# KiCad board s100_ColorMagic-1.0-001.kicad_pcb (continued)
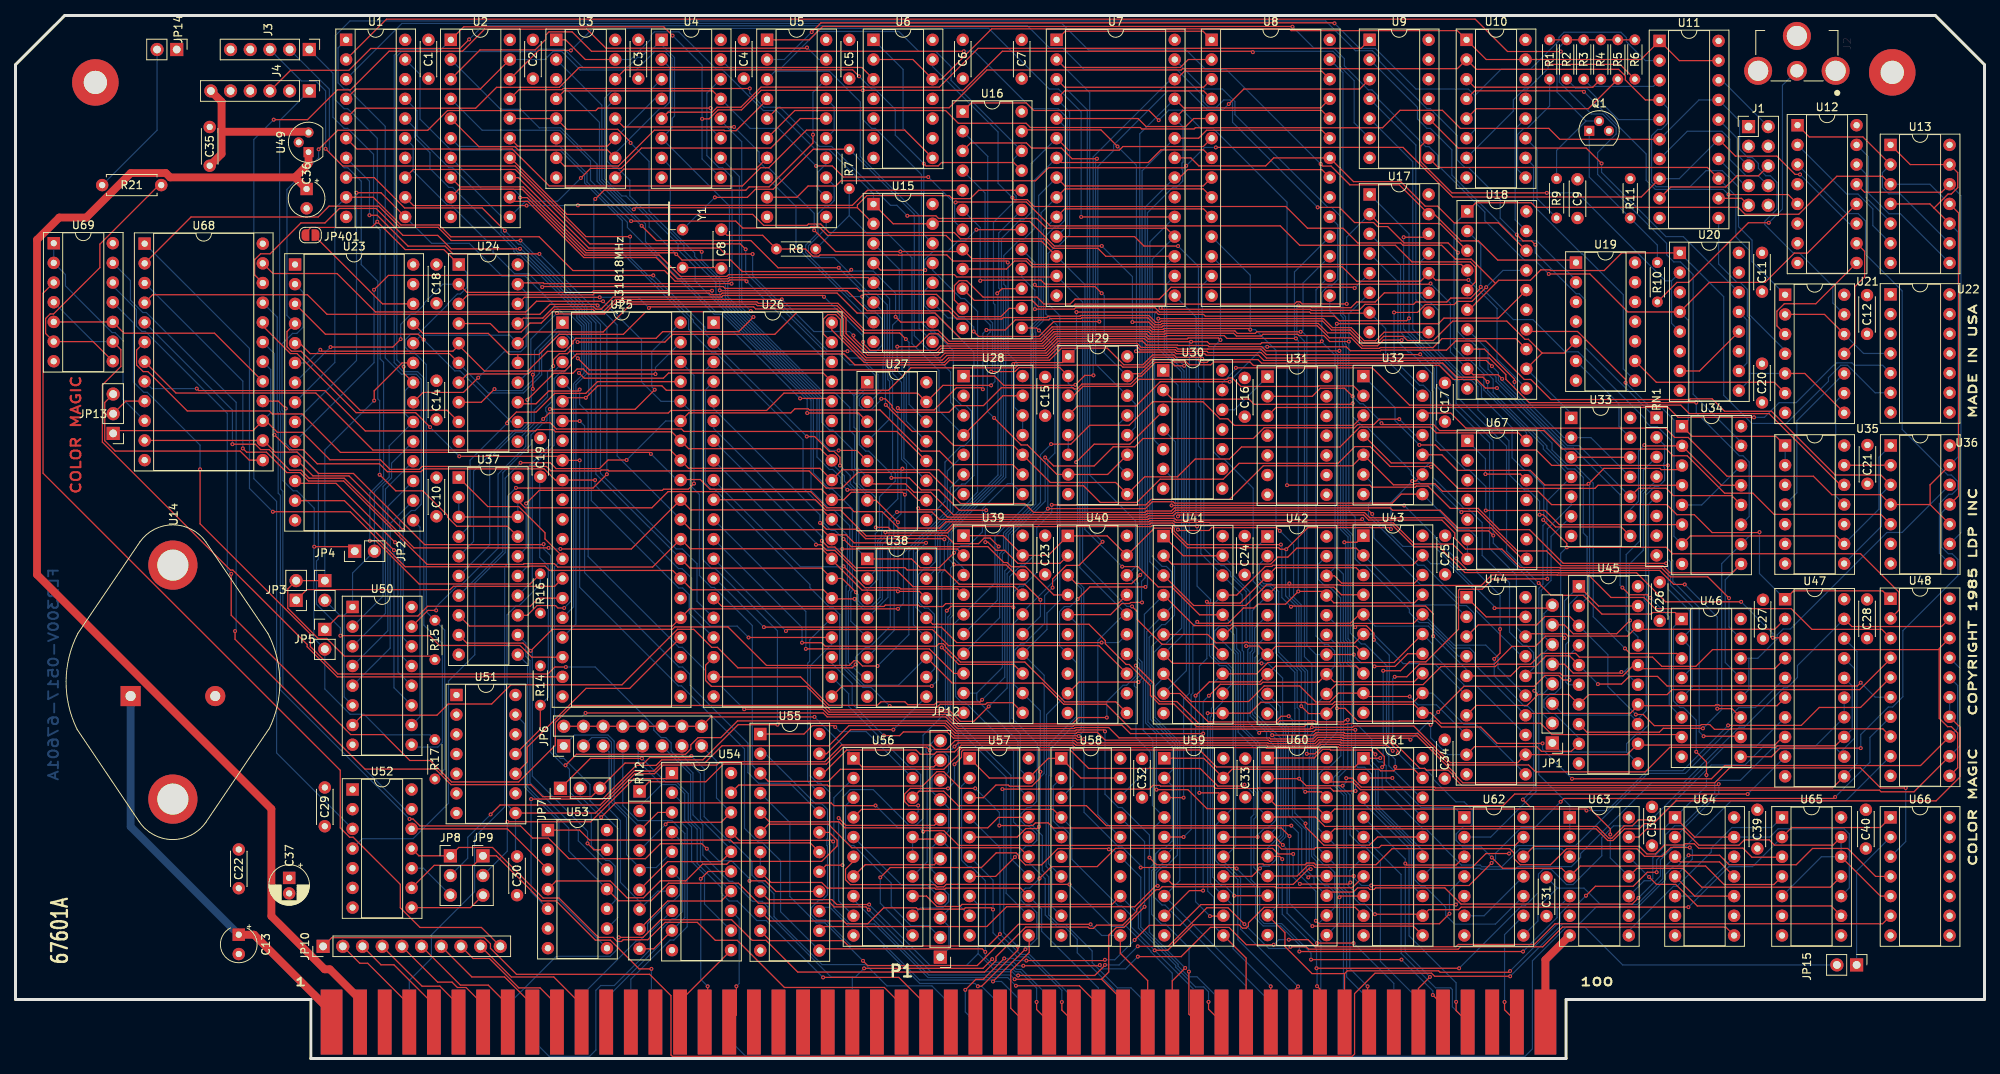
[diagram p0: board, top side]
## Routing (per net, layer and track width the routed paths; a pad name or vN(x,y) marks a point on that pad's centre or on a via; arc(x,y) is an arc through that point) (continued)
/SLAVE_CLR: length 163.4
  Component w0.152: v1(102.87,119.23) 102.87,118.16 97.21,112.5 94.64,112.5 94.21,112.07 75.92,112.07 v1(74.79,110.94) ; v1(76.29,75.41) 74.51,73.63 64.58,73.63 v1(64.56,73.65)
  Copper w0.152: v1(102.87,119.23) 102.87,124.7 U5.18 ; P1.54 50.8,10.08 53.65,12.93 53.65,15.96 59.22,21.53 59.22,28.6 63.1,32.47 63.1,63.45 63.47,63.82 63.47,72.57 v1(64.56,73.65) ; v1(74.79,110.94) 74.61,110.76 74.61,96.1 76.29,94.43 v1(76.29,75.41)
/STATUS_CS: length 126.6
  Component w0.152: U45.19 204.22,58.4 U45.1 ; v1(177.66,39.71) 176.95,40.42 170.89,40.42 170.77,40.53 168.39,40.53 167.89,40.03 161.4,40.03 161.3,40.13 136.69,40.13 136.38,40.43 121.98,40.43 121.13,39.58 118.81,39.58 118.51,39.27 116.71,39.27 116.17,39.82 107.22,39.82 104.2,36.8 U55.22 ; v1(177.92,49.27) 179.48,49.27 181.1,50.89 190.76,50.89 193.05,53.19 196.06,53.19 197.39,54.52 199.58,54.52 v1(199.82,54.28)
  Copper w0.152: v1(199.82,54.28) 199.82,59.08 U45.1 ; v1(177.66,39.71) 177.66,49.01 v1(177.92,49.27)
/sWO: length 124.6
  Component w0.152: v1(170.45,94.83) 183.54,94.83 184.26,95.56 191.28,95.56 U18.16
  Copper w0.152: v1(170.45,94.83) 170.3,94.68 170.3,91.14 170.57,90.86 170.57,63.22 171.29,62.51 171.29,53.92 171.54,53.67 171.54,51.2 172.35,50.4 172.35,34.25 172.46,34.13 172.46,30.03 U61.5 178.74,23.75 178.74,13.57 183.19,9.12 185.13,9.12 185.36,8.9 185.36,6.67 P1.97
/TMR_INT: length 115.6
  Component w0.152: JP10.10 60.1,16.92 52.18,16.92 49.64,19.46 49.64,22.48 43.55,28.57 43.1,28.57 41.89,29.77 41.89,37.2 3.55,75.54 3.55,98.77 U69.3
/TMRCS: length 133
  Component w0.152: v1(89.17,27.08) 88.53,27.73 83.19,27.73 81.26,25.79 71.4,25.79 68.74,28.45 66.72,28.45 65.14,30.02 52.17,30.02 51.29,30.91 v1(50.83,30.91) ; v1(94.69,22.94) 96.71,22.94 98.09,21.56 U55.16
  Copper w0.152: U68.21 33.77,95.68 33.77,83.43 33.89,83.31 33.89,72.96 34.17,72.68 34.17,47.57 v1(50.83,30.91) ; v1(94.69,22.94) 94.69,23.2 92.38,25.52 90.74,25.52 v1(89.17,27.08)
/VI0: length 13.9
  Component w0.152: P1.4 50.8,6.93 45.43,12.29 44.41,12.29 JP10.2
/VI1: length 14.6
  Component w0.152: P1.5 53.97,6.93 48.82,12.09 47.15,12.09 JP10.3
/VI2: length 15.2
  Component w0.152: JP10.4 52.44,9.33 54.74,9.33 57.15,6.93 P1.6
/VI3: length 15.9
  Component w0.152: JP10.5 54.46,9.86 56.31,9.86 57,9.16 58.12,9.16 60.33,6.95 P1.7
/VI4: length 16.5
  Component w0.152: JP10.6 57.39,9.47 60.99,9.47 63.5,6.95 P1.8
/VI5: length 17.1
  Component w0.152: P1.9 66.67,6.94 63.08,10.53 58.87,10.53 JP10.7
/VI6: length 17.8
  Component w0.152: P1.10 69.85,6.93 67.66,9.12 64.93,9.12 61.14,12.91 59.03,12.91 JP10.8
/VI7: length 18.4
  Component w0.152: JP10.9 63.96,10.52 69.44,10.52 73.02,6.93 P1.11
/Video Generator/ONE: length 323.5
  Component w0.152: v1(196.06,105.03) 195.56,105.53 194.47,105.53 v1(193.67,106.33) ; U24.1 55.25,104.41 50.27,104.41 v1(46.67,108.01) 45.93,107.27 38.11,107.27 37.4,106.56 JP401.2
  Copper w0.152: U24.1 58.22,101.44 58.22,99.5 57.39,98.67 56.99,98.67 55.74,97.42 55.74,97.3 51.94,93.51 51.02,93.51 50.26,92.75 50.26,91.82 51.03,91.05 51.51,91.05 52.99,89.57 52.99,57.67 R15.1 55.37,55.29 55.37,37.35 R17.1 ; v1(196.06,105.03) 196.06,103.98 201.33,98.7 201.71,98.7 202.51,97.91 202.51,91.74 211.53,82.72 RN1.1 ; v1(46.67,108.01) 46.67,118.77 42.85,122.59 42.39,122.59 41.25,123.73 41.25,132.02 43.15,133.92 169.01,133.92 172.85,130.08 175.04,130.08 175.95,129.17 175.95,128.73 182.09,122.59 182.51,122.59 185.97,119.14 185.97,115.99 186.95,115.01 187.43,115.01 191.53,110.91 191.53,108.47 v1(193.67,106.33)
/Video Generator/ZERO: length 318
  Component w0.152: U27.6 110.29,74.17 114.82,74.17 115.9,73.08 118.07,73.08 120.98,70.18 145.83,70.18 146.01,70.36 149.22,70.36 149.63,70.76 174.54,70.76 v1(175.02,70.28) ; JP1.8 197.87,58.13 v1(190.79,58.13) ; v1(50.07,89.29) 50.07,88.47 U23.22
  Copper w0.152: 83.04,131.17 U4.1 ; 83.04,131.17 85.01,129.19 85.01,121.65 84.71,121.34 84.71,120.14 U4.6 92.09,110.04 92.09,100.42 91.88,100.21 91.88,98.31 103.93,86.26 107.47,86.26 108.16,85.56 ; 83.04,131.17 81.93,130.06 81.5,130.06 80.66,129.22 80.23,129.22 78.89,127.89 73.19,127.89 70.8,130.27 67.5,130.27 67.2,129.97 49.77,129.97 49.2,129.39 49.2,90.17 v1(50.07,89.29) ; JP1.2 196.81,44.71 196.81,46.8 198.25,48.25 JP1.4 197.17,49.43 197.17,52.35 JP1.6 197.17,54.51 197.17,57.43 JP1.8 ; v1(175.02,70.28) 175.02,70.06 178.99,66.1 183.04,66.1 190.79,58.34 v1(190.79,58.13) ; 42.4,57.2 U50.1 43.48,62.66 JP2.2 46.3,73.16 48.2,75.06 48.2,79.06 U23.20 50.27,83.19 50.27,86.21 U23.22 ; 42.4,57.2 41.84,57.2 JP4.2 ; 42.4,57.2 42.4,46.66 U50.6 ; U27.1 108.16,85.56 ; 108.16,85.56 108.16,81.48 108.55,81.1 108.55,76.35 109.88,75.01 U27.6
/Video Timing/ONE: length 196.9
  Component w0.152: U34.1 216.29,80.3 227.1,80.3 U35.1 ; U5.1 102.39,131.48 104.12,133.2 164.7,133.2 v1(164.73,133.18) ; U12.12 231.15,103.95 229.47,103.95 225.69,100.17 218.51,100.17 U20.4 207.99,96.36 203.09,101.26 v1(197.79,101.26)
  Copper w0.152: v1(164.73,133.18) 167.52,130.38 170.09,130.38 171.42,129.04 171.42,128.11 174.52,125.02 174.97,125.02 175.71,124.29 175.71,123.9 181.91,117.7 182.34,117.7 183.47,116.58 183.47,115.33 189.54,109.25 189.54,108.13 194.68,102.99 196.06,102.99 v1(197.79,101.26) ; U35.2 U35.1 ; U34.1 215.79,82.42 215.79,95.27 U20.4
/Video Timing/ZERO: length 116.4
  Component w0.152: U11.19 214.62,128.8 U11.1 209.68,128.94 U10.15 189.72,128.94 U10.1 186,132.66 164.56,132.66 164.32,132.9 125.93,132.9 119.43,126.4 U6.12 115.76,128.94 U6.2
/VSYNC_DLY: length 226.8
  Component w0.152: U45.8 202.73,42.11 212.06,42.11 212.56,42.62 v1(217.68,42.62) ; 190.92,100.04 187.79,103.18 185.76,103.18 183.97,104.96 178.99,104.96 178.69,105.27 173.15,105.27 171.25,107.16 166.67,107.16 163.86,109.97 131.41,109.97 130.52,110.85 128.85,110.85 v1(128.59,111.11) ; 190.92,100.04 187.52,96.64 U18.6 ; 190.92,100.04 191.33,100.45 195.42,100.45 196.76,101.79 197.95,101.79 198.03,101.7 204.94,101.7 207.21,103.98 U20.1
  Copper w0.152: 223.98,81.97 220.36,85.6 220.36,98.32 U20.1 ; 223.98,81.97 223.98,67.75 U34.10 220.1,63.87 220.1,45.04 v1(217.68,42.62) ; 223.98,81.97 228.44,81.97 233.87,87.4 233.87,87.89 235.46,89.48 236.34,89.48 239.89,85.92 U22.6 ; v1(128.59,111.11) 126.75,112.96 126.75,119.58 118.3,128.03 U6.13
/WR: length 291.3
  Component w0.152: v1(176.05,38.78) 176.02,38.75 U61.1 172.78,37.63 154.93,37.63 152.74,39.82 136.53,39.82 136.23,40.13 122.11,40.13 121.62,39.64 121.62,39.21 119.74,37.32 106.4,37.32 104.85,35.77 97.11,35.77 U55.3 ; U68.23 33.21,101.32 41.47,101.32 46.43,96.36 65.83,96.36 67.21,97.74 v1(75.79,97.74) ; v1(176.43,50.05) 178.67,50.05 179.82,51.2 181.94,51.2 186.15,55.4 186.15,60.45 186.27,60.57 189.19,60.57 190.53,61.91 v1(197.6,61.91)
  Copper w0.152: v1(176.05,38.78) 176.43,39.16 v1(176.43,50.05) ; U33.5 200.68,71.44 197.6,68.36 v1(197.6,61.91) ; U62.10 190.91,17.35 185.64,17.35 184.5,18.5 184.5,19.52 181.78,22.24 181.32,22.24 180.44,23.12 180.44,27.5 175.44,32.49 175.44,37.21 U61.1 ; v1(75.79,97.74) 80.75,92.78 80.75,87.34 83.27,84.82 U25.36 87.03,83.59 87.03,74 88.22,72.81 88.22,62.35 89.77,60.8 90.14,60.8 95.05,55.89 95.05,37.83 U55.3
A0: length 237.4
  Component w0.152: v1(132.09,23.23) 133.63,24.77 139.54,24.77 141.89,27.12 162.16,27.12 162.89,26.4 v1(164.82,26.4) ; U26.24 v1(94.56,54.34) ; v1(172.19,22.72) 171.99,22.51 165.72,22.51 v1(165.68,22.54) ; v1(33.4,80.51) 35.35,78.56 37.12,78.56 38.92,76.76 46.94,76.76 47.96,75.74 52.31,75.74 52.68,76.11 66.1,76.11 66.11,76.11 68.19,76.11 69.64,74.66 U25.9 v1(74.76,74.66) ; v1(126.1,9.94) 130.25,14.1 v1(130.28,14.1)
  Copper w0.152: v1(130.28,14.1) 130.38,14.1 131.75,15.47 131.75,18.82 130.81,19.76 130.39,19.76 129.67,20.48 129.67,21.39 130.27,21.99 130.85,21.99 v1(132.09,23.23) ; 105.06,19.52 104.2,19.52 U55.15 ; 105.06,19.52 107.5,17.07 109.7,17.07 116.62,10.14 125.9,10.14 v1(126.1,9.94) 127.19,9.94 130.18,6.95 P1.79 ; 105.06,19.52 105.06,27.54 104.97,27.62 104.97,28.19 105.06,28.27 105.06,34.36 103.89,35.53 103.5,35.53 102.54,36.49 102.54,50.72 105.3,53.48 U26.24 ; v1(165.68,22.54) 164.82,23.41 v1(164.82,26.4) ; U61.6 172.13,24.28 172.13,22.79 v1(172.19,22.72) ; v1(33.4,80.51) 33.4,90.97 U68.19 ; v1(74.76,74.66) 74.76,73.99 85.53,63.23 85.99,63.23 87.22,62 87.22,58.21 89.63,55.8 93.1,55.8 v1(94.56,54.34)
A1: length 185.5
  Component w0.152: v1(57.25,77.73) 70.03,77.73 U25.8 v1(72.77,77.2) ; U68.20 31.9,94.55 35.46,90.99 36.31,90.99 43.94,83.36 51.61,83.36 v1(53.48,81.49) ; U55.13 103.92,14.16 124.7,14.16 v1(125.11,13.76)
  Copper w0.152: v1(53.48,81.49) v1(57.25,77.73) ; U57.2 122.04,35.16 122.04,25.58 122.85,24.77 123.3,24.77 125.11,22.96 v1(125.11,13.76) 125.11,13.04 126.03,12.11 128.51,12.11 129.12,11.5 129.78,11.5 133.35,7.94 P1.80 ; v1(72.77,77.2) 72.77,60.83 85.51,48.1 85.9,48.1 94.04,39.96 94.04,29.72 95.85,27.91 96.31,27.91 98.69,25.53 98.69,18.95 U55.13
A2: length 65
  Component w0.152: v1(126.99,16.06) 125.45,14.52 107.47,14.52 106.78,15.21 97.35,15.21 U55.11
  Copper w0.152: U57.4 126.99,27.21 v1(126.99,16.06) 129.62,13.43 130.81,13.43 136.53,7.71 P1.81
A3: length 59.5
  Component w0.152: P1.31 134.98,6.24 v1(134.98,7.29) ; v1(126.1,19.23) 125.88,19.45 122.52,19.45 122.35,19.28 116.38,19.28 116.21,19.45 111.99,19.45 109.93,17.39 107.19,17.39 106.83,17.75 97.35,17.75 U55.10
  Copper w0.152: U57.6 126.1,23.02 v1(126.1,19.23) 126.1,16.22 129.2,13.12 130.66,13.12 134.98,8.8 v1(134.98,7.29)
A4: length 55
  Component w0.152: U55.9 97.13,20.51 105.31,20.51 105.94,19.87 v1(110.12,19.87) ; v1(131.72,7.3) 131.72,6.33 P1.30
  Copper w0.152: U57.8 124.18,19.86 124.18,13.53 ; 124.18,13.53 122.65,12 118,12 v1(110.12,19.87) ; 124.18,13.53 126.21,11.5 128.68,11.5 128.99,11.2 129.61,11.2 131.72,9.08 v1(131.72,7.3)
A5: length 12.9
  Component w0.152: U57.11 130.76,15.82 130.76,13.68 128.39,11.3 128.39,6.49 P1.29
A6: length 58.6
  Component w0.152: U57.13 129.67,21.99 120.01,21.99 119.87,21.86 118.73,21.86 118.59,21.99 104.73,21.99 103.99,22.72 97.46,22.72 U55.8
  Copper w0.152: U57.13 132.37,19.29 132.37,16.42 139.7,9.09 P1.82 ; U55.8 U55.7
A7: length 63.8
  Component w0.152: U55.6 97.14,30.24 104.84,30.24 107.88,27.2 129.54,27.2 U57.15
  Copper w0.152: U57.15 130.7,25.33 132.84,23.2 132.84,18.53 134.41,16.96 135.38,16.96 136.97,15.37 136.97,13.65 142.88,7.74 P1.83
A8: length 70.4
  Component w0.152: U55.5 97.25,30.55 106.21,30.55 106.99,29.77 125.42,29.77 126.77,31.12 U57.17
  Copper w0.152: P1.84 146.05,6.97 143.9,9.12 142.14,9.12 138.89,12.37 138.89,13.88 135.51,17.26 134.55,17.26 133.29,18.53 133.29,23.44 132.46,24.28 132.46,28.78 130.7,30.54 U57.17
A9: length 76.7
  Component w0.152: P1.34 146.05,10.05 142.52,13.58 U58.11 ; v1(109.32,12.61) 109.93,12 124.06,12 129.38,17.32 v1(138.69,17.32)
  Copper w0.152: v1(109.32,12.61) 104.42,17.51 103.29,17.51 99.89,20.91 99.89,30.45 U55.4 ; v1(138.69,17.32) 140.12,15.88 U58.11
A10: length 50.2
  Component w0.152: 155.58,4.7 153.9,6.37 v1(153.9,7.31) ; U56.13 117.51,20.96 118.85,19.62 121.83,19.62 122.1,19.89 141.45,19.89 U58.13
  Copper w0.152: U58.13 144.85,18.63 144.85,16.84 149.67,12.03 149.67,11.79 152.22,9.24 153.28,9.24 153.9,8.62 v1(153.9,7.31)
A11: length 71
  Component w0.152: v1(141.05,27) 140.95,27.1 134.47,27.1 132.36,25 130.28,25 129.41,25.86 129.41,26.22 129.08,26.54 126.5,26.54 124.61,24.65 112.84,24.65 v1(111.56,23.37)
  Copper w0.152: U56.11 111.56,20.04 v1(111.56,23.37) ; 155.58,4.7 155.58,7.38 152.41,10.55 151.34,10.55 149.97,11.92 149.97,12.16 145.16,16.97 145.16,23.4 U58.15 141.56,27 v1(141.05,27)
A12: length 68.4
  Component w0.152: P1.33 142.88,7.46 140.1,10.23 ; v1(145.65,19.59) 142.97,16.91 142.01,16.91 141.02,15.92 141.02,11.16 140.1,10.23 ; 140.1,10.23 v1(128.89,10.23)
  Copper w0.152: v1(145.65,19.59) 145.65,27.99 U58.17 ; v1(128.89,10.23) 128.35,10.77 117.82,10.77 108.1,20.49 U56.8
A13: length 72.5
  Component w0.152: U56.6 108.1,25.46 107.07,24.43 107.07,23.07 107.7,22.44 118.57,22.44 118.85,22.16 119.75,22.16 120.06,22.47 v1(135.96,22.47)
  Copper w0.152: P1.85 149.23,11.01 146.47,13.77 146.47,13.88 143.31,17.04 141.39,17.04 v1(135.96,22.47) 135.96,29.02 135.13,29.85 134.68,29.85 133.87,30.67 133.87,35.17 U58.2
A14: length 91.9
  Component w0.152: U56.4 109.13,32.15 133.87,32.15 U58.4 ; v1(146.95,13.97) 148.63,13.97 151.93,17.27 157.83,17.27 158.27,16.82 158.76,16.82 159.05,17.11 159.05,17.5 161.06,19.52 172.81,19.52 U61.9
  Copper w0.152: P1.86 152.4,8.52 v1(146.95,13.97) 143.92,17 143.92,18.48 142.71,19.69 142.28,19.69 136.27,25.7 136.27,29.75 U58.4
A15: length 73.1
  Component w0.152: v1(129.05,9.39) 137.24,9.39 139.7,6.93 P1.32 ; v1(105.47,28.01) 105.33,28.15 93.37,28.15 U54.17
  Copper w0.152: 105.57,28.01 105.57,19.43 107.63,17.37 110.79,17.37 117.72,10.44 127.99,10.44 v1(129.05,9.39) ; 105.57,28.01 v1(105.47,28.01) ; 105.57,28.01 105.57,33.67 U56.2
A16: length 23.3
  Component w0.152: v1(89.29,9.32) 89.29,5.09 P1.16 ; v1(88.4,23.19) 89.35,24.14 U54.15
  Copper w0.152: v1(88.4,23.19) 88.4,10.21 v1(89.29,9.32)
A17: length 15.3
  Component w0.152: P1.17 92.99,5.62 v1(92.99,9.32)
  Copper w0.152: v1(92.99,9.32) 93.35,9.68 93.35,18.01 U54.13
A18: length 12
  Component w0.152: U54.11 85.72,7.41 P1.15
A19: length 34.7
  Copper w0.152: P1.59 66.67,2.44 68.83,0.28 74.06,0.28 74.87,1.09 74.87,8.8 75.49,9.42 77.24,9.42 81.85,14.03 81.85,16.23 U54.8
A20: length 25.6
  Copper w0.152: P1.61 73.02,8.14 80.07,15.19 80.51,15.19 81.54,16.22 81.54,17.41 84.46,20.33 84.87,20.33 85.74,21.2 85.74,23.08 U54.6
A21: length 29.4
  Copper w0.152: P1.62 76.2,7.77 83.26,14.83 83.26,16.6 84.7,18.03 85.12,18.03 86.04,18.95 86.04,27.86 U54.4
A22: length 33.7
  Copper w0.152: U54.2 85.87,33.11 85.87,30.47 86.65,29.69 86.65,17.02 84.92,15.29 84.44,15.29 79.38,10.22 79.38,4.7
A23: length 45.8
  Component w0.152: v1(82.03,11.57) 80.43,11.57 76.73,15.28 74.8,15.28 69.73,20.35 67.85,20.35 62.04,26.16 JP9.1 59.07,24.93 54.01,24.93 U52.9
  Copper w0.152: P1.64 82.03,5.22 v1(82.03,11.57)
ALPHA_DOTS: length 73.2
  Component w0.152: U16.5 109.9,112.06 107.96,110.12 v1(72.55,110.12) ; U1.12 51.34,110.09 v1(65.93,110.09)
  Copper w0.152: v1(65.93,110.09) 72.52,110.09 v1(72.55,110.12)
AT0: length 83.4
  Component w0.152: v1(80.77,107.48) 82.67,105.58 94.86,105.58 98.37,102.06 v1(106.2,102.06)
  Copper w0.152: U2.2 62.58,122.51 65.18,122.51 67.58,120.11 70.34,120.11 75.02,115.43 75.02,113.22 v1(80.77,107.48) ; U27.2 110.24,84.74 111.92,86.42 111.92,90.14 112.1,90.32 112.1,96.16 U15.6 v1(106.2,102.06)
AT1: length 39.6
  Component w0.152: U3.10 76.34,117.27 64.85,117.27 64.42,117.69 59.78,117.69 U2.5
  Copper w0.152: U3.10 77.37,116.87 83.12,122.62 83.57,122.62 84.38,123.43 84.38,127.91 U4.2
AT2: length 72
  Component w0.152: v1(102.12,83.31) 108.77,83.31 U27.3
  Copper w0.152: 69.75,117.72 57.21,117.72 U2.6 ; 69.75,117.72 U3.6 ; 69.75,117.72 70.23,117.72 73.72,114.23 73.72,113.14 78.93,107.92 78.93,107.27 90.14,96.06 91.11,96.06 102.12,85.05 v1(102.12,83.31)
AT3: length 104.3
  Component w0.152: v1(107.81,101.8) 107.59,101.58 93.74,101.58 92.26,103.06 85.99,103.06 v1(85.23,103.82) 85.05,103.99 73.57,103.99 65.37,112.19 57.18,112.19 U2.9 ; v1(113.53,95.73) 114.22,95.04 U15.10
  Copper w0.152: v1(107.81,101.8) 107.98,101.63 110.65,101.63 113.53,98.75 v1(113.53,95.73) ; v1(85.23,103.82) 81.74,107.31 81.74,108.34 78.76,111.32 78.23,111.32 76,113.55 76,123.95 76.94,124.89 81.84,124.89 U4.3
AT4: length 74.3
  Component w0.152: U2.12 64.3,110.63 66.06,110.63 73.31,103.38 82.63,103.38 85.38,100.63 91.87,100.63 92.04,100.8 110,100.8 U15.5
  Copper w0.152: U15.5 112.76,98.04 112.76,90.12 112.53,89.89 112.53,87.64 112.76,87.41 112.76,82.54 U27.4
AT5: length 22.5
  Component w0.152: U3.11 76.34,117.75 64.8,117.75 U2.15
  Copper w0.152: U4.4 82.45,123.86 U3.11
AT6: length 72.6
  Component w0.152: U2.16 U3.5 71.14,119.93 77.69,119.93 79.35,118.27 v1(79.35,118.17) ; v1(106.18,78.48) 108.52,78.48 U27.5
  Copper w0.152: v1(106.18,78.48) 105.09,78.48 103.69,79.88 103.69,85.21 90.36,98.54 90.36,100.13 86.23,104.26 86.23,104.91 81.73,109.41 81.73,115.79 v1(79.35,118.17)
AT7: length 150.8
  Component w0.152: U9.1 173.58,130.38 124.18,130.38 119.17,125.37 109.6,125.37 109.53,125.44 109.13,125.44 109.05,125.37 96.16,125.37 93.57,122.78 90.5,122.78 89.86,122.14 84.17,122.14 U4.5 ; U1.4 43.92,125.13 59.96,125.13 U2.19
  Copper w0.152: U2.19 68.29,128.94 69.32,129.97 70.46,129.97 72.85,127.58 80.06,127.58 82.46,129.99 83.78,129.99 84.69,129.08 84.69,122.66 U4.5
ATCLK: length 46.1
  Component w0.152: v1(72.93,113.64) 74.17,114.89 78.13,114.89 80.75,117.51 97.43,117.51 101.24,121.32 U5.16
  Copper w0.152: U2.11 65.79,110.64 69.93,110.64 v1(72.93,113.64)
B: length 153.5
  Component w0.152: v1(151.02,115.22) 150.77,114.97 133.27,114.97 131.59,113.29 106.5,113.29 105.82,112.61 102.25,112.61 100.79,111.16 U5.9 ; v1(230.2,114.11) 229.57,114.11 227.21,116.47 221.87,116.47 U11.15 ; U11.8 209.72,111.2 185.39,111.2 179,117.59 v1(154.84,117.59)
  Copper w0.152: v1(151.02,115.22) 153.39,117.59 v1(154.84,117.59) ; v1(230.2,114.11) 236.55,107.76 U12.11 ; U11.8 214.62,113.56 U11.15
B_HSYNC_OUT: length 15.8
  Component w0.152: U11.9 213.54,112.48 220.62,112.48 222.07,113.93 224.83,113.93 J1.6
B_OUT: length 4.2
  Component w0.152: U11.12 222.66,111.02 J1.9
B_VSYNC_OUT: length 19.9
  Copper w0.152: U11.7 215.65,119.67 220.14,119.67 221.14,118.67 221.14,116.04 223.25,113.93 224.83,113.93 J1.8
BACKGROUND_I: length 53.4
  Copper w0.152: U38.12 115.84,55.98 115.84,65.65 117.23,67.05 117.42,67.05 120.94,70.57 120.94,73.01 122.08,74.15 122.53,74.15 123.64,75.26 123.64,91.16 118.49,96.31 118.11,96.31 117.23,97.19 117.23,99.05 U15.12
BLINK: length 71.4
  Component w0.152: U6.3 109.17,127.91 72.72,127.91 70.16,125.35 62.06,125.35 59.36,122.65 43.98,122.65 U1.5
BUS8V: length 71.4
  Component w1: C13.1 30.77,15.98 40.77,5.99 P1.1
  Copper w1: U14.1 14.85,29.93 C13.1 30.76,15.98 40.77,5.97 P1.1
BUS16V: length 161.8
  Component w1: 36.06,113.72 19.95,113.72 19.39,114.28 14.87,114.28 9.13,108.54 5.64,108.54 2.77,105.67 2.77,62.45 33.01,32.21 33.01,18.38 39.87,11.51 40.55,11.51 44.45,7.62 P1.2 ; 36.06,113.72 37.8,115.47 U49.1 ; 36.06,113.72 C36.1
BW: length 63
  Component w0.152: v1(131.5,96.73) 136.57,96.73 136.74,96.9 147.01,96.9 147.57,96.34 166.94,96.34 167.08,96.2 174.6,96.2 U17.7
  Copper w0.152: U16.16 129.8,100.87 131.5,99.17 v1(131.5,96.73) ; U17.7 176.75,94.21 176.75,90.29 U32.13
C0: length 146.2
  Component w0.152: U18.4 186.51,102.49 131.25,102.49 130.51,103.23 123.39,103.23 U16.8 121.89,104.15 v1(114.14,104.15) 105.78,104.15 v1(103.04,106.9) ; v1(92.69,120.24) 78.45,120.24 U3.12
  Copper w0.152: v1(114.14,104.15) 114.35,103.94 114.35,88.89 114.91,88.33 114.91,82.25 U27.13 ; v1(103.04,106.9) 103.04,109.09 97.15,114.97 96.69,114.97 95.92,115.74 95.92,117 v1(92.69,120.24)
C1: length 135.8
  Component w0.152: U3.4 70.78,124.89 89.94,124.89 U4.13 ; v1(117.74,113.77) 106.8,113.77 105.37,115.2 v1(103.27,115.2) ; U18.5 188.34,100.24 188.34,102.16 187.68,102.82 180.15,102.82 178.01,104.96 165.66,104.96 163.15,107.47 133.48,107.47 130.4,110.55 121.33,110.55 v1(121.28,110.49)
  Copper w0.152: U16.7 121.15,108.01 121.15,110.37 ; 121.15,110.37 v1(121.28,110.49) ; 121.15,110.37 v1(117.74,113.77) ; v1(103.27,115.2) 98.43,120.05 94.78,120.05 U4.13
CC0: length 104.7
  Component w0.152: U24.2 58.24,98.88 74.34,98.88 74.56,99.1 v1(89.85,99.1) ; U27.10 116.48,72.04 115.12,73.4 v1(107.31,73.4) ; v1(40.64,91.82) 48.67,91.82 v1(49.69,92.84)
  Copper w0.152: v1(107.31,73.4) 106.47,74.24 106.47,74.97 105.4,76.04 104.99,76.04 103.39,77.64 103.39,85.08 89.85,98.62 v1(89.85,99.1) ; U24.2 55.14,99.94 52.72,97.53 52.72,97.32 51.54,96.13 51.07,96.13 49.69,94.75 v1(49.69,92.84) ; U23.7 v1(40.64,91.82)
CC1: length 87.3
  Component w0.152: v1(39.32,91.48) 39.51,91.29 56.42,91.29 57.18,92.05 ; U24.5 57.18,92.05 ; 57.18,92.05 60.49,88.73 66.09,88.73 68.63,91.27 70.86,91.27 71.92,92.33 71.92,92.59 72.29,92.96 82.63,92.96 83.49,93.81 93.29,93.81 v1(95.19,95.71)
  Copper w0.152: U4.10 93.38,113.83 93.38,97.25 94.91,95.71 v1(95.19,95.71) ; U23.6 37.62,89.78 v1(39.32,91.48)
CC2: length 103.9
  Component w0.152: v1(113.62,88.87) 74.04,88.87 v1(72.54,90.37) ; U23.5 36.67,92.32 38.01,90.98 55.97,90.98 U24.6
  Copper w0.152: U24.6 57.18,89.7 60.98,85.91 65.53,85.91 67.87,88.25 67.87,91.25 70.12,93.5 70.97,93.5 71.96,92.51 71.96,90.95 v1(72.54,90.37) ; U27.11 114.61,77.47 114.61,87.89 v1(113.62,88.87)
CC3: length 111.4
  Component w0.152: U24.9 55.68,83.66 44.46,83.66 36.84,91.29 35.6,91.29 35.02,91.87 35.02,93.82 U23.4 ; v1(89.66,122.67) 75.17,122.67 74.85,122.35 55.72,122.35 53.18,119.81 41.56,119.81 v1(39.1,117.34)
  Copper w0.152: v1(39.1,117.34) 39.1,116.26 35.01,112.17 35.01,95.91 U23.4 ; U4.11 89.66,120.09 v1(89.66,122.67)
CC4: length 89.8
  Component w0.152: v1(52.65,92.78) 51.94,93.48 39.98,93.48 U23.3 ; U24.12 64.9,82.06 68.97,82.06 69.78,81.25 85.92,81.25 86.24,80.93 113.69,80.93 U27.12
  Copper w0.152: U24.12 63.94,82.16 57.35,88.75 56.67,88.75 v1(52.65,92.78)
CC5: length 75.1
  Component w0.152: v1(94.85,96.48) 94.76,96.39 81.33,96.39 78.41,93.47 70.13,93.47 67.53,90.87 64.8,90.87 ; U23.25 52.57,93.59 60.99,93.59 63.71,90.87 64.8,90.87 ; 64.8,90.87 U24.15
  Copper w0.152: v1(94.85,96.48) 93.68,97.64 93.68,118.33 90.97,121.04 U4.12
CC6: length 80.1
  Component w0.152: v1(114.85,92.85) 114.07,93.64 109.5,93.64 105.97,97.17 95.7,97.17 95.52,97.35 79.38,97.35 75.8,93.77 66.25,93.77 U24.16
  Copper w0.152: v1(114.85,92.85) 115.27,92.44 115.27,84.43 U27.14 ; U24.16 63.77,93.35 52.33,93.35 U23.24
CC7: length 82.5
  Component w0.152: v1(92.36,100.01) 68.18,100.01 68.09,100.11 64.97,100.11 U24.19 ; v1(59.69,87.88) 57.78,85.97 52.57,85.97 U23.21
  Copper w0.152: U24.19 65.88,98.86 65.88,91.93 65.16,91.22 63.04,91.22 v1(59.69,87.88) ; v1(92.36,100.01) 92.43,100.08 92.43,113.75 91.21,114.97 90.76,114.97 89.18,116.55 89.18,124.61 U4.14
CCLK: length 80
  Component w0.152: U26.21 106.65,48.07 v1(118.2,48.07)
  Copper w0.152: v1(118.2,48.07) 119,48.87 119,62.64 119.26,62.9 119.26,67.4 127.13,75.26 127.13,99.16 126.83,99.46 126.83,106.55 U16.19
CGRDM11: length 35.5
  Component w0.152: JP3.1 37.58,60.52 56.07,60.52 56.49,60.94 69.54,60.94 U25.14
CGRDM12: length 32.3
  Component w0.152: JP5.1 41.64,57.12 51.91,57.12 53.16,58.37 66.41,58.37 67.46,59.42 U25.15
CHG_DOTS: length 89.2
  Copper w0.152: U1.1 41.61,130.44 41.61,125.92 42.4,125.13 42.87,125.13 47.7,120.31 47.7,90.42 49.81,88.31 51.7,88.31 52.34,87.67 52.34,71.54 51.54,70.73 51.06,70.73 49.56,69.23 49.56,67.24 49.7,67.1 49.7,52.06 U50.13
CLOCK: length 15.4
  Component w0.152: P1.49 192.09,6.29 v1(192.09,7.3)
  Copper w0.152: U62.9 192.09,15.99 v1(192.09,7.3)
COLOR_SEL: length 44.1
  Component w0.152: v1(126.64,98.75) 127.25,99.36 U16.15
  Copper w0.152: v1(126.64,98.75) 126.73,98.66 126.73,75.3 118.96,67.52 118.96,63.4 U38.15
CURSOR: length 117.8
  Component w0.152: U26.19 101.26,49.26 104.94,45.58 111.18,45.58 111.65,46.04 114.72,46.04 115.1,45.67 118.53,45.67 118.89,46.02 124.42,46.02 v1(124.69,46.3) ; v1(133.59,79.3) 136.13,79.3 138.57,81.73 143.66,81.73 146.7,84.77 153.17,84.77 155.38,82.56 156.38,82.56 157.23,81.72 172.6,81.72 U32.3
  Copper w0.152: v1(133.59,79.3) 132.22,77.93 132.22,71.76 128.08,67.61 128.08,63.38 127.61,62.92 127.61,49.22 v1(124.69,46.3)
CURSOR_BLINK: length 101.1
  Component w0.152: U6.8 114.72,119.82 102.03,119.82 97.18,114.97 96.11,114.97 93.76,112.62 68.85,112.62 64.08,117.39 44.04,117.39 U1.6
  Copper w0.152: U6.8 114.5,120.04 114.5,127.66 U6.1
D3IN: length 144.9
  Component w0.152: v1(210.9,59.45) 210.49,59.86 208.2,59.86 v1(207.29,60.78) ; v1(190.46,89.36) 189.72,90.1 161.04,90.1 160.37,90.77 153.61,90.77 153.41,90.96 149.71,90.96 149.5,91.17 144.66,91.17 v1(144.54,91.28) ; v1(142.16,117.72) 140.02,119.86 129.98,119.86 U16.23
  Copper w0.152: v1(190.46,89.36) 191.29,88.53 191.29,87.52 200.02,78.79 200.97,78.79 207,72.76 207,61.07 v1(207.29,60.78) ; U46.6 213.33,45.63 213.33,57.02 v1(210.9,59.45) ; v1(144.54,91.28) 144.6,91.34 144.6,115.28 v1(142.16,117.72)
DA12: length 121.3
  Component w0.152: U1.13 51.31,114.74 64.48,114.74 74.08,105.14 93.49,105.14 v1(94.19,104.44) ; v1(125.22,70.76) 121.74,70.76 119.11,73.39 116.84,73.39 115.28,74.94 v1(112.98,74.94) ; v1(125.11,66.65) 125.44,66.65 126.5,65.59 127.62,65.59 129.3,63.91 134.74,63.91 135.75,64.91
  Copper w0.152: v1(94.19,104.44) 94.19,101.44 104.69,90.94 106.21,90.94 107.61,89.54 109.56,89.54 110.93,88.16 110.93,86.39 110.8,86.25 109.47,86.25 108.47,85.25 108.47,83.37 108.85,82.98 108.85,79.22 109.68,78.39 110.08,78.39 112.98,75.49 v1(112.98,74.94) ; v1(125.11,66.65) 125.11,70.65 v1(125.22,70.76)
DA13: length 126
  Component w0.152: v1(106.82,67.05) 107.8,66.07 125.43,66.07 127.49,64.01 127.92,64.01 128.46,63.48 130.3,63.48 133.94,59.83 135.75,59.83
  Copper w0.152: v1(106.82,67.05) 105.71,68.16 105.23,68.16 104.27,69.11 104.27,70.96 101.59,73.64 101.59,79.84 90.26,91.17 89.78,91.17 86.83,94.12 86.83,95.41 81.95,100.29 81.95,100.29 78.28,103.96 78.28,108.14 73.41,113.01 73.41,114.09 70.23,117.27 56.16,117.27 52.19,121.24 52.19,127.02 U1.19
DI0: length 162.4